# Altium PCB H204_without WiFi.PcbDoc (part 1 of 3) (continued)
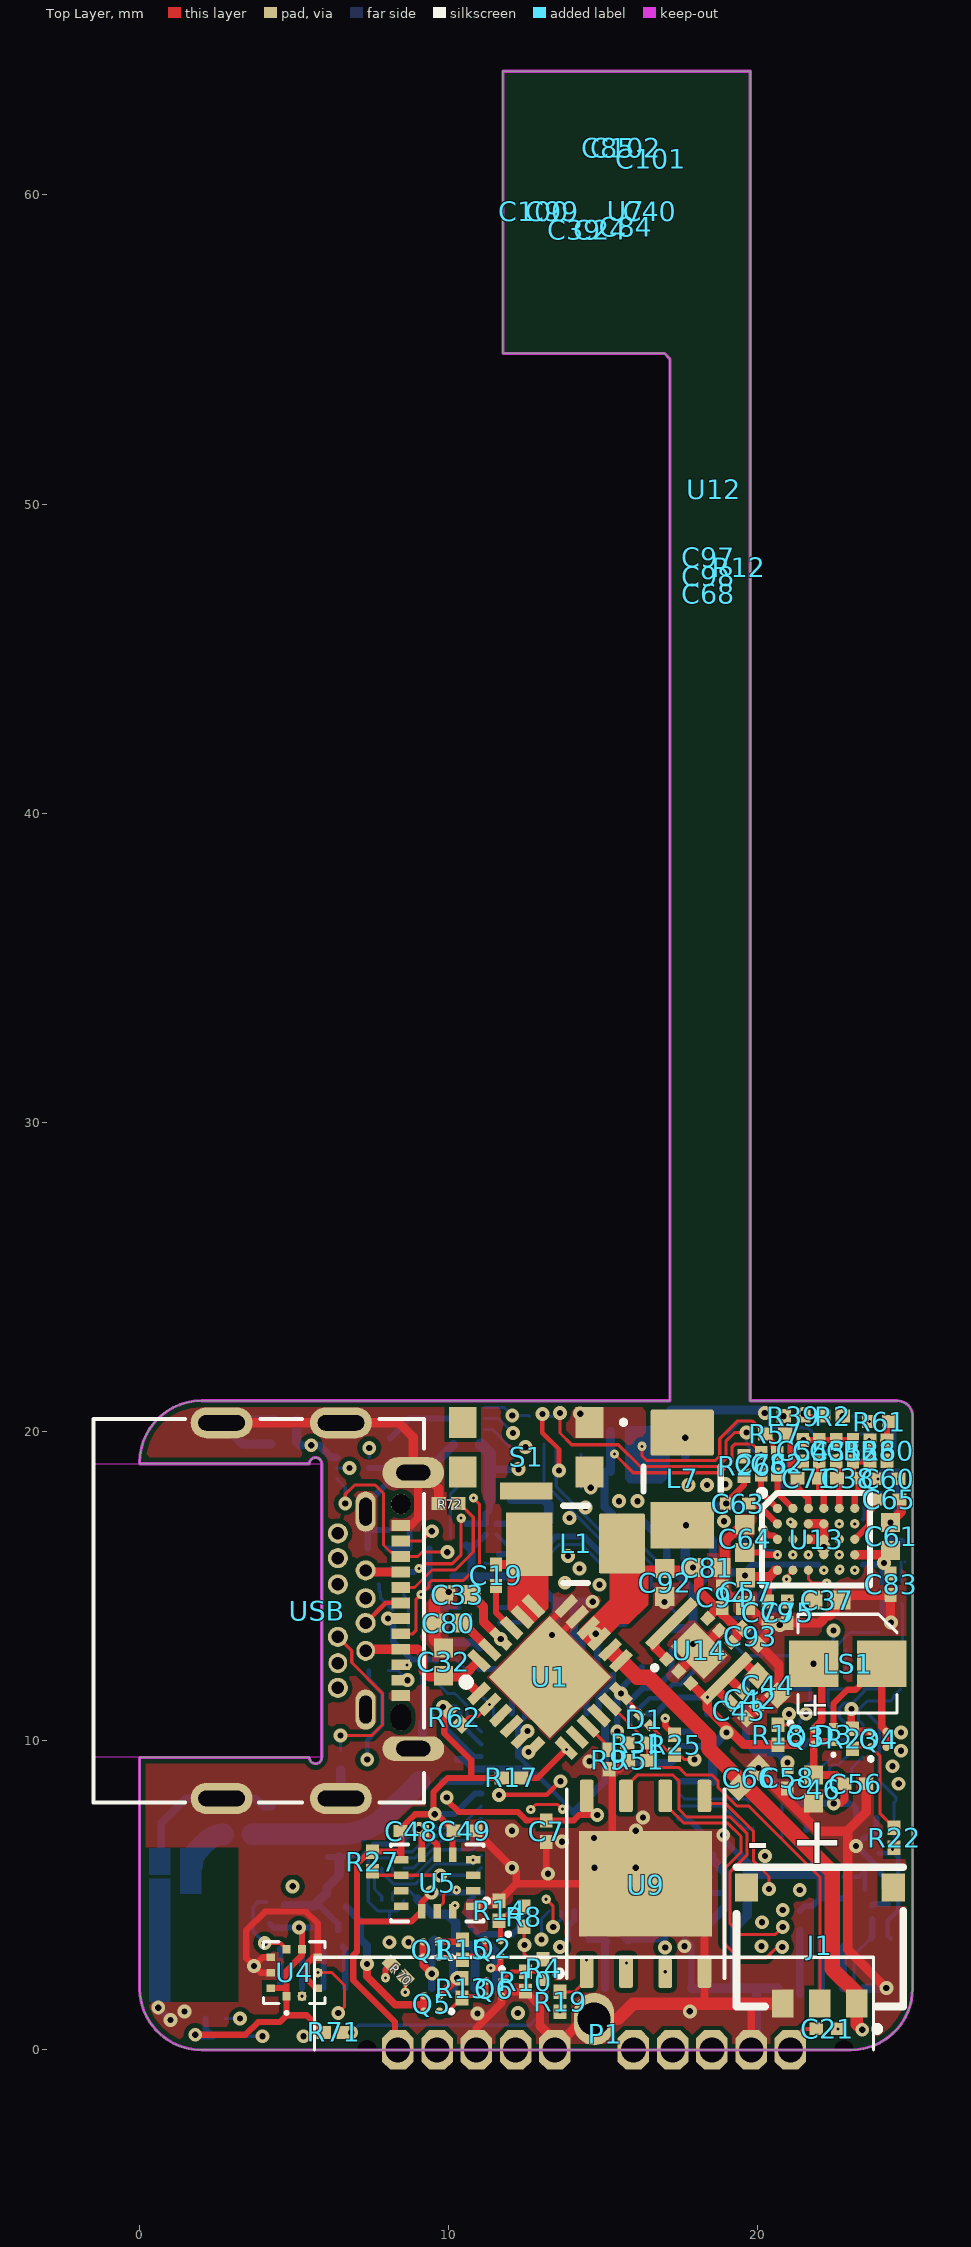
[diagram p0: Top Layer view]
## Components (designator, comment, footprint, x,y, rotation, side; value= is the part's Value field where it differs from the comment) (continued)
C90 "0.1uF" CAPC0603X33N#1 22.423,5.6 r180 bottom
C91 "0.1uF" CAPC0603X33N#1 8.38,16.817 r180 bottom
C92 "10uF" CAPC1005X55N#1 16.981,15.117 r270 top
C93 "1nF" CAPC0603X33N#1 19.75,13.384 r315 top
C94 "100pF" CAPC0603X33N#1 18.842,14.642 r90 top
C95 "1nF" CAPC0603X33N#1 15.583,19.46 r180 bottom
C96 "100pF" CAPC0603X33N#1 15.583,19.992 r180 bottom
C97 "1nF" CAPC0603X33N#2 18.389,48.275 r180 top
C98 "100pF" CAPC0603X33N#2 18.389,47.675 r0 top
C99 "1nF" CAPC0603X33N#3 13.35,59.476 r90 top
C100 "100pF" CAPC0603X33N#3 12.75,59.476 r270 top
C101 "1nF" CAPC0603X33N#3 16.53,61.176 r270 top
C102 "100pF" CAPC0603X33N#3 15.73,61.526 r90 top
C103 "4.7uF" CAPC1005X55N#1 18.96,6.275 r0 bottom
C104 "0.1uF" CAPC0603X33N#1 18.9,8.68 r0 bottom
C105 "0.1uF" CAPC0603X33N#1 23.175,6.95 r270 bottom
C106 "10uF" CAPC1005X55N#1 19.525,19.25 r180 bottom
D1 "NSR01L30NXT5G" NSR01L30NXT5G 16.327,10.673 r225 top
D3 "NSR01L30NXT5G" NSR01L30NXT5G 22.44,10.2 r0 top
DS1 "QG-2864TMBEG01" QG-2864TMBEG01 14,2.3 r0 bottom locked
FL1 "EMI2121MTTAG" EMI2121MTTAG 10.689,14.562 r90 bottom
J1 "78171-0003" 78171-0003 22,1.5 r180 top
L1 "1uH / CBC3225T1R0MR" INDM3225X210N#1 14.1,16.353 r0 top
L2 "10µH" INDC1608X100N#1 12.648,12.51 r0 bottom
L3 "N.C." INDC0603X33N 3.928,7.413 r90 bottom
L4 "0R" INDC0603X33N 3.116,6.968 r180 bottom
L5 "10µH" INDC1608X100N#2 16.248,13.18 r270 bottom
L6 "2.2nH" INDC0603X33N 9.481,8.693 r0 bottom
L7 "2.2uH / CBC3225T2R2MR" INDM3225X210N#2 17.548,18.47 r90 top
LS1 "SMT-0340-T-R" SMT0340TR 22.9,12.492 r270 top
P1 "EC10-IDC-050" EC10-IDC-050 14.7,1 r180 top locked
Q1 "CSD23202W10" 4-UFBGA 9.423,3.249 r180 top
Q2 "CSD13201W10" CSD13201W10 11.423,3.292 r270 top
Q3 "CSD23202W10" 4-UFBGA 21.55,10.132 r0 top
Q4 "CSD13201W10" CSD13201W10 23.905,10.048 r90 top
Q5 "CSD23202W10" 4-UFBGA 9.45,1.5 r180 top
Q6 "CSD13201W10" CSD13201W10 11.464,1.98 r270 top
Q7 "CSD23202W10" 4-UFBGA 23.947,4.422 r90 bottom
Q8 "CSD23202W10" 4-UFBGA 9.123,15.21 r0 bottom
Q9 "CSD13201W10" CSD13201W10 24.15,6.617 r180 bottom
Q10 "CSD13201W10" CSD13201W10 8.45,13.96 r270 bottom
R1 "200R" RESC0603X26N#1 24.148,8.067 r0 bottom
R2 "200R" RESC0603X26N#1 22.423,20.5 r0 top
R3 "10k" RESC0603X26N#1 24.148,7.492 r0 bottom value=10K
R4 "200R" RESC0603X26N#1 13.05,2.618 r270 top
R5 "10k" RESC0603X26N#1 23.973,3.554 r180 bottom value=10K
R6 "0R" RESC0603X26N#1 8.075,3.805 r270 bottom
R7 "10k" RESC0603X26N#1 8.173,15.239 r90 bottom value=10K
R8 "200R" RESC0603X26N#1 12.425,4.312 r90 top
R9 "0R" RESC0603X26N#1 15.173,9.392 r90 top
R10 "10k" RESC0603X26N#1 12.475,2.216 r90 top value=10K
R11 "2R2" RESC0603X26N#1 18.678,10.867 r180 bottom
R12 "0R" RESC0603X26N#2 19.375,47.955 r90 top
R13 "10k" RESC0603X26N#1 10.425,2 r90 top value=10K
R14 "10k" RESC0603X26N#1 11.624,4.5 r270 top value=10K
R15 "10k" RESC0603X26N#1 10.442,3.242 r90 top value=10K
R17 "4.7k" RESC0603X26N#1 12.025,8.797 r180 top
R18 "10k" RESC0603X26N#1 20.65,10.193 r270 top value=10K
R19 "4.7k" RESC0603X26N#1 13.599,1.557 r90 top
R20 "4.7k" RESC0603X26N#1 2.448,1.017 r0 bottom
R21 "4.7k" RESC0603X26N#1 2.696,0.444 r0 bottom
R22 "200R" RESC0603X26N#1 24.4,6.867 r90 top
R23 "10k" RESC0603X26N#1 23.05,10.067 r90 top value=10K
R24 "4.7k" RESC0603X26N#1 4.098,4.466 r90 bottom
R25 "10k" RESC0603X26N#1 17.3,9.87 r270 top value=10K
R26 "324k" RESC0603X26N#1 19.55,18.89 r90 top
R27 "4.7k" RESC0603X26N#1 7.525,6.094 r270 top
R28 "4.7k" RESC0603X26N#1 21.9,8.292 r90 bottom
R29 "4.7k" RESC0603X26N#1 21.329,8.289 r90 bottom
R30 "4.7k" RESC0603X26N#1 22.464,8.276 r90 bottom
R31 "5.49k" RESC0603X26N#1 16.098,9.928 r0 top
R32 "0R" RESC0603X26N#1 8.7,3.805 r270 bottom
R33 "4.7k" RESC0603X26N#1 23.029,8.276 r90 bottom
R34 "10R" RESC0603X26N#1 24.627,16.105 r90 bottom
R35 "4.7k" RESC0603X26N#1 19.95,10.792 r0 bottom
R36 "N.C." RESC0603X26N#1 22.423,18.01 r0 bottom
R37 "N.C." RESC0603X26N#1 21.679,11.992 r270 bottom
R38 "N.C." RESC0603X26N#1 24.024,11.992 r270 bottom
R39 "200R" RESC0603X26N#1 21.148,20.5 r180 top
R40 "N.C." RESC0603X26N#1 22.265,11.992 r270 bottom
R41 "4.7k" RESC0603X26N#1 19.95,11.404 r0 bottom
R42 "4.7k" RESC0603X26N#1 19.934,10.102 r0 bottom
R43 "0R" RESC0603X26N#1 21.093,11.992 r90 bottom
R44 "0R" RESC0603X26N#1 22.851,11.992 r90 bottom
R45 "4.7k" RESC0603X26N#1 19.934,11.992 r0 bottom
R46 "0R" RESC0603X26N#1 23.438,11.992 r90 bottom
R47 "0R" RESC0603X26N#1 24.61,11.992 r90 bottom
R48 "4.7k" RESC0603X26N#1 24.06,20.476 r180 bottom
R49 "4.7k" RESC0603X26N#1 24.06,19.92 r180 bottom
R50 "4.7k" RESC0603X26N#1 24.05,19.376 r180 bottom
R51 "30.9k" RESC0603X26N#1 16.103,9.367 r180 top
R52 "4.7k" RESC0603X26N#1 24.06,18.33 r90 bottom
R53 "0R" RESC0603X26N#1 22.743,19.92 r180 bottom
R54 "0R" RESC0603X26N#1 22.76,19.376 r180 bottom
R55 "0R" RESC0603X26N#1 22.743,20.5 r180 bottom
R56 "910k" RESC0603X26N#1 21.35,4.18 r270 bottom
R57 "200R" RESC0603X26N#1 20.561,19.92 r0 top
R58 "200R" RESC0603X26N#1 23.617,19.38 r270 top
R59 "0R" RESC0603X26N#1 23.45,18.237 r90 bottom
R60 "4.7k" RESC0603X26N#1 24.177,19.38 r270 top
R61 "4.7k" RESC0603X26N#1 23.923,20.325 r180 top
R62 "4.7k" RESC0603X26N#1 10.174,10.76 r135 top
R63 "200R" RESC0603X26N#1 20.998,10.546 r90 bottom
R64 "27k" RESC0603X26N#1 23.775,5.176 r180 bottom value=27K
R65 "75k" RESC0603X26N#3 23.659,5.711 r0 bottom value=75K
R66 "47k" RESC0603X26N#1 9.05,16.217 r180 bottom value=47K
R67 "75k" RESC0603X26N#1 7.698,16.217 r180 bottom value=75K
R68 "200k" RESC0603X26N#1 12.935,20.488 r180 bottom
R69 "0R" RESC0603X26N#1 20.775,8.253 r90 bottom
R70 "10k" RESC0603X26N#1 8.365,2.555 r315 top value=10K
R71 "10k" RESC0603X26N#1 6.275,0.567 r0 top value=10K
R72 "5.1k" RESC0603X26N#1 9.991,17.676 r180 top
R73 "5.1k" RESC0603X26N#1 6.5,9.374 r270 bottom
R74 "4.7k" RESC0603X26N#1 7.725,12.275 r0 bottom
S1 "KMS231GLFS" KMS231GLFS 12.5,19.5 r180 top locked
U1 "BQ25601RTWT" QFN50P400X400X80-25N-D 13.27,12.06 r45 top
U2 "MAX17222ELT+" MAX17220ALT 17.648,18.32 r0 bottom
U3 "MAX32664GTGD+" MAX32664GTGD 20.498,15.705 r90 bottom locked
U4 "BMP388" BMP388 5,2.5 r180 top locked
U5 "BMI270" XDCR_BMI270 9.624,5.4 r180 top
U6 "TPD5E003DPFR" SON35P100X100X40-6N 8.18,5.362 r90 bottom
U7 "MAX30101EFD+" 14-LEAD-OESIP 15.73,59.476 r90 top
U9 "W25Q128JVPIQ" SON127P500X600X80-9N 16.365,5.375 r90 top locked
U10 "TPD5E003DPFR" SON35P100X100X40-6N 6.9,18.82 r180 bottom
U11 "TPD5E003DPFR" SON35P100X100X40-6N 10.625,20.425 r0 bottom
U12 "TMP117MAIDRVT" SON65P200X200X80-7N 18.575,50.475 r270 top
U13 "MAX30001CWV+" BGA30C50P6X5_293X274X69 21.878,16.517 r0 top locked
U14 "XCL206A333CR-G" XCL206A333CRG 18.098,12.91 r315 top
U15 "nRF5340-QKAA" AQFN40P700X700X85_HS-99N 14.248,7.692 r180 bottom locked
U16 "LP5907UVX-1.8-NOPB" BGA4C35P2X2_64X64X44 11.369,16.845 r180 bottom
U18 "PI4ULS3V204GAEX" BGA12C50P3X4_137X187X62 22.65,9.992 r90 bottom
USB "TE_2129691-1" TE_2129691-1 3.85,14.21 r270 top locked
X1 "ECS-.327-7-1210-TR" XTAL_ECS-.327-7-1210-TR 19.825,7.577 r270 bottom
X2 "32MHz" OSC_XRCTD37M400FXQ50R0 9.9,12.28 r0 bottom
X3 "ECS-.327-7-1210-TR" XTAL_ECS-.327-7-1210-TR 19.174,14.387 r90 bottom
X4 "SIT1533AI-H4-DCC-32.768E" SIT1533AIH4DCC32768E 21.673,6.675 r180 bottom

## Footprints (in the part's own frame and the unit in brackets; to place one, negate y for a bottom-side part, rotate by r counter-clockwise, add the part's x,y. Pads: shape width x height; smd on the part's side, far side on the other; paste and mask are expansions set on the pad)
4-UFBGA [mm]
  round 0.25 smd: D(0.25,0.25) D(0.25,-0.25) G(-0.25,0.25) S(-0.25,-0.25)
  silkscreen extent -0.68,0.2 -0.59,0.3, body extent -0.5,-0.5 0.5,0.5, height 0.4
14-LEAD-OESIP [mm]
  rect 0.75x0.35 on Mid1: 1(-1.2,-2.4) 2(-1.2,-1.6) 3(-1.2,-0.8) 4(-1.2,0) 5(-1.2,0.8) 6(-1.2,1.6) 7(-1.2,2.4) 8(1.2,2.4) 9(1.2,1.6) 10(1.2,0.8) 11(1.2,0) 12(1.2,-0.8) 13(1.2,-1.6) 14(1.2,-2.4)
  body extent -1.46,-2.8 1.34,2.8
2450AT07A0100 [mm] "2.4GHz Bluetooth, WLAN, Zigbee™ Chip RF Antenna 2.4GHz ~ 2.48GHz -2dBi Solder Surface Mount"
  rect 0.25x0.3 smd: 1(-0.175,-0.3) 1(0.175,-0.3) 2(-0.175,0.3) 2(0.175,0.3)
  Top Layer region: -0.95,0.85 -0.05,0.85 -0.05,0.15 -0.95,0.15
  Top Layer region: -0.95,-0.15 0.55,-0.15 0.55,-0.85 -0.95,-0.85
  Top Layer region: 0.05,0.85 4.05,0.85 4.05,0.15 0.05,0.15
  Top Layer pour cut-out: -0.95,0.95 -0.95,-2.05 4.05,-2.05 4.05,0.95
  body extent -0.25,-0.5 0.25,0.5, height 0.37
78171-0003 [mm]
  rect 0.7x0.9 smd: 1(-1.2,0) 2(0,0) 3(1.2,0)
  rect 0.75x0.9 smd: 4(-2.375,-3.75) 5(2.375,-3.75)
  silkscreen extent -2.7,-4.41 2.7,0.88, body extent -2.7,-4.12 2.7,0.41, height 1.45
AQFN40P700X700X85_HS-99N [mm] "AQFN, 98-Leads, Body 7.00x7.00mm, Pitch 0.40mm, Thermal Pad 5.4x5.0mm, IPC Medium Density"
  rect 5.4x5 smd paste-5 mask+0.05: 104(0.2,0)
  round 0.4 smd paste+0.012 mask+0.05: A1(-3.2,3.2) A31(3.2,3.2) AL1(-3.2,-3.2) AL31(3.2,-3.2)
  round 0.225 smd paste+0.012 mask+0.05: A5(-2.2,3.2) A13(-0.6,3.2) A15(-0.2,3.2) A17(0.2,3.2) A19(0.6,3.2) A21(1,3.2) A23(1.4,3.2) A25(1.8,3.2) A27(2.2,3.2) AA1(-3.2,-1) AA31(3.2,-1) AB2(-2.8,-1.2) AC1(-3.2,-1.4) AC31(3.2,-1.4) AD2(-2.8,-1.6) AE1(-3.2,-1.8) AE31(3.2,-1.8) AF2(-2.8,-2) AG1(-3.2,-2.2) AG31(3.2,-2.2) AH2(-2.8,-2.4) AJ1(-3.2,-2.6) AJ31(3.2,-2.6) AK2(-2.8,-2.8) AK4(-2.4,-2.8) AK6(-2,-2.8) AK8(-1.6,-2.8) AK10(-1.2,-2.8) AK12(-0.8,-2.8) AK14(-0.4,-2.8) AK16(0,-2.8) AK18(0.4,-2.8) AK20(0.8,-2.8) AK22(1.2,-2.8) AK24(1.6,-2.8) AK26(2,-2.8) AK28(2.4,-2.8) AK30(2.8,-2.8) AL3(-2.6,-3.2) AL5(-2.2,-3.2) AL7(-1.8,-3.2) AL9(-1.4,-3.2) AL11(-1,-3.2) AL13(-0.6,-3.2) AL15(-0.2,-3.2) AL17(0.2,-3.2) AL19(0.6,-3.2) AL21(1,-3.2) AL23(1.4,-3.2) AL25(1.8,-3.2) AL27(2.2,-3.2) AL29(2.6,-3.2) B2(-2.8,2.8) B4(-2.4,2.8) B6(-2,2.8) B8(-1.6,2.8) B10(-1.2,2.8) B12(-0.8,2.8) B14(-0.4,2.8) B16(0,2.8) B18(0.4,2.8) B20(0.8,2.8) B22(1.2,2.8) B24(1.6,2.8) B26(2,2.8) B28(2.4,2.8) B30(2.8,2.8) C1(-3.2,2.6) C31(3.2,2.6) D2(-2.8,2.4) E1(-3.2,2.2) E31(3.2,2.2) F2(-2.8,2) G1(-3.2,1.8) G31(3.2,1.8) H2(-2.8,1.6) J1(-3.2,1.4) J31(3.2,1.4) K2(-2.8,1.2) L1(-3.2,1) L31(3.2,1) M2(-2.8,0.8) N1(-3.2,0.6) N31(3.2,0.6) P2(-2.8,0.4) R1(-3.2,0.2) R31(3.2,0.2) T2(-2.8,0) U1(-3.2,-0.2) U31(3.2,-0.2) V2(-2.8,-0.4) W1(-3.2,-0.6) W31(3.2,-0.6) Y2(-2.8,-0.8)
  rrect15% 1.1x1 on Bottom Paste: ""(-1.75,-1.8) ""(-1.75,-0.6) ""(-1.75,0.6) ""(-1.75,1.8) ""(-0.45,-1.8) ""(-0.45,-0.6) ""(-0.45,0.6) ""(-0.45,1.8) ""(0.85,1.8) ""(0.85,-1.8) ""(0.85,-0.6) ""(0.85,0.6) ""(2.15,1.8) ""(2.15,-1.8) ""(2.15,-0.6) ""(2.15,0.6)
  silkscreen extent -3.99,-3.6 3.6,4.03, body extent -3.5,-3.5 3.5,3.5, height 0.85
BGA4C35P2X2_64X64X44 [mm]
  round 0.208 smd: A1(-0.175,0.175) A2(0.175,0.175) B1(-0.175,-0.175) B2(0.175,-0.175)
  silkscreen extent -0.63,-0.63 0.63,0.63, body extent -0.32,-0.32 0.32,0.32, height 0.45
BGA12C50P3X4_137X187X62 [mm]
  round 0.24 smd: A1(-0.5,0.75) A2(0,0.75) A3(0.5,0.75) B1(-0.5,0.25) B2(0,0.25) B3(0.5,0.25) C1(-0.5,-0.25) C2(0,-0.25) C3(0.5,-0.25) D1(-0.5,-0.75) D2(0,-0.75) D3(0.5,-0.75)
  silkscreen extent -1.05,-1.2 0.95,1.3, body extent -0.68,-0.94 0.68,0.93, height 0.63
BGA30C50P6X5_293X274X69 [mm]
  round 0.298 smd: A1(-1.25,1) A2(-0.75,1) A3(-0.25,1) A4(0.25,1) A5(0.75,1) A6(1.25,1) B1(-1.25,0.5) B2(-0.75,0.5) B3(-0.25,0.5) B4(0.25,0.5) B5(0.75,0.5) B6(1.25,0.5) C1(-1.25,0) C2(-0.75,0) C3(-0.25,0) C4(0.25,0) C5(0.75,0) C6(1.25,0) D1(-1.25,-0.5) D2(-0.75,-0.5) D3(-0.25,-0.5) D4(0.25,-0.5) D5(0.75,-0.5) D6(1.25,-0.5) E1(-1.25,-1) E2(-0.75,-1) E3(-0.25,-1) E4(0.25,-1) E5(0.75,-1) E6(1.25,-1)
  silkscreen extent -1.85,-1.5 1.75,1.6, body extent -1.46,-1.37 1.46,1.37, height 0.69
BMP388 [mm]
  rect 0.25x0.275 smd: 1(0.25,0.763) 2(-0.25,0.763) 6(-0.25,-0.763) 7(0.25,-0.763)
  rect 0.275x0.25 smd: 3(-0.762,0.5) 4(-0.762,0) 5(-0.762,-0.5) 8(0.762,-0.5) 9(0.762,0) 10(0.762,0.5)
  silkscreen extent -1,-1 1,1.35, body extent -1,-1 1,1, height 0.8
CAPC0603X33N#1 [mm] "Chip Capacitor, EIA 0201, Metric 0603, Body 0.6x0.30mm, IPC Medium Density"
  rect 0.45x0.4 smd: 1(-0.35,0) 2(0.35,0)
  body extent -0.31,-0.16 0.32,0.17, height 0.33
CAPC0603X33N#2 [mm] "Chip Capacitor, EIA 0201, Metric 0603, Body 0.6x0.30mm, IPC Medium Density"
  rect 0.45x0.4 on Mid1: 1(-0.35,0) 2(0.35,0)
  body extent -0.31,-0.16 0.32,0.17, height 0.33
CAPC0603X33N#3 [mm] "Chip Capacitor, EIA 0201, Metric 0603, Body 0.6x0.30mm, IPC Medium Density"
  rect 0.45x0.4 on Mid2: 1(-0.35,0) 2(0.35,0)
  body extent -0.31,-0.16 0.32,0.17, height 0.33
CAPC1005X55N#1 [mm] "Chip Capacitor, Body 1.0x0.55mm, IPC Medium Density"
  rect 0.62x0.62 smd: 1(-0.45,0) 2(0.45,0)
  body extent -0.52,-0.27 0.53,0.28, height 0.55
CAPC1005X55N#2 [mm] "Chip Capacitor, Body 1.0x0.55mm, IPC Medium Density"
  rect 0.62x0.62 on Mid2: 1(-0.45,0) 2(0.45,0)
  body extent -0.52,-0.27 0.53,0.28, height 0.55
CSD13201W10 [mm]
  round 0.25 smd: D(-0.25,-0.25) D(0.25,-0.25) G(-0.25,0.25) S(0.25,0.25)
  silkscreen extent -0.5,0.45 -0.4,0.55, body extent -0.5,-0.5 0.5,0.5, height 0.62
EC10-IDC-050 [mm]
  round 0.32 hole 0.64 unplated: 0(-8.08,1) 0(7.35,1)
  oct 1.02x1.28 hole 0.8: 1(6.35,1) 2(5.08,1) 3(3.81,1) 4(2.54,1) 5(1.27,1) 6(-1.27,1) 7(-2.54,1) 8(-3.81,1) 9(-5.08,1) 10(-6.35,1)
  oval 1.3x1.7 / inner round 1.3 / far side oval 1.3x1.7 hole 1.07: 3(0,0)
  silkscreen extent -9.04,-2 9.04,1
EMI2121MTTAG [mm]
  rect 0.4x1 smd: 1(-0.75,-0.35)
  rect 0.3x1 smd: 2(-0.25,-0.35) 7(-0.25,0.95) 8(-0.75,0.95)
  rect 0.3x0.6 smd: 3(0.25,-0.55) 4(0.75,-0.55) 5(0.75,1.15) 6(0.25,1.15)
  rect 0.54x0.8 smd: 9(0.63,0.3)
  silkscreen extent -1.1,-1.3 1.1,1.3, body extent -1.1,-0.7 1.1,1.3, height 0.8
INDC0603X33N [mm] "Chip Inductor, 2-Leads, EIA 0201, Metric 0603, Body 0,60x0,30mm, IPC Medium Density"
  rect 0.47x0.42 smd: 1(-0.32,0) 2(0.32,0)
  body extent -0.31,-0.17 0.32,0.16, height 0.33
INDC1608X100N#1 [mm] "Chip Inductor, 2-Leads, EIA 0603, Metric 1608, Body 1.6x0.8mm, IPC Medium Density"
  rect 0.95x1 smd: 1(-0.8,0) 2(0.8,0)
  body extent -0.87,-0.47 0.88,0.48, height 1
INDC1608X100N#2 [mm] "Chip Inductor, 2-Leads, EIA 0603, Metric 1608, Body 1.6x0.8mm, IPC Medium Density"
  rect 0.95x1 smd: 1(-0.8,0)
  rrect50% 0.95x1 smd: 2(0.8,0)
  body extent -0.87,-0.47 0.88,0.48, height 1
INDM3225X210N#1 [mm] "Inductor, Molded Body; 3.20mm L X 2.50mm W, IPC Medium Density"
  rect 1.5x2.05 smd: 1(-1.5,0)
  rrect10% 1.5x1.95 smd: 2(1.5,0.027)
  silkscreen extent -0.4,-1.25 0.4,1.25, body extent -1.7,-1.35 1.7,1.35, height 2.7
INDM3225X210N#2 [mm] "Inductor, Molded Body; 3.20mm L X 2.50mm W, IPC Medium Density"
  rect 1.5x2.05 smd: 1(-1.5,0)
  rrect10% 1.5x2.05 smd: 2(1.5,0)
  silkscreen extent -0.4,-1.25 0.4,1.25, body extent -1.7,-1.35 1.7,1.35, height 2.7
KMS231GLFS [mm]
  rect 0.9x1 smd: 1(-2.05,-0.8) 2(-2.05,0.8) 4(2.05,0.8) 5(2.05,-0.8)
  rect 1.7x0.55 smd: 3(0,1.425)
  silkscreen extent -3.2,-0.85 -3.1,-0.75, body extent -2.3,-2.15 2.3,1.4, height 1.42
MAX17220ALT [mm]
  rect 0.35x0.8 smd: 1(-0.65,-0.915) 2(0,-0.915) 3(0.65,-0.915) 4(0.65,0.915) 5(0,0.915) 6(-0.65,0.915)
  silkscreen extent -1,-1.65 1,0.2, body extent -1,-1.28 1,1.28, height 0.9
MAX32664GTGD [mm]
  rect 0.7x0.7 smd: 1(-1.45,2.9) 7(-1.45,0) 13(1.45,0) 19(1.45,2.9)
  rect 0.7x0.2 smd: 2(-1.45,2.25) 3(-1.45,1.85) 4(-1.45,1.45) 5(-1.45,1.05) 6(-1.45,0.65) 14(1.45,0.65) 15(1.45,1.05) 16(1.45,1.45) 17(1.45,1.85) 18(1.45,2.25)
  rect 0.2x0.7 smd: 8(-0.8,0) 9(-0.4,0) 10(0,0) 11(0.4,0) 12(0.8,0) 20(0.8,2.9) 21(0.4,2.9) 22(0,2.9) 23(-0.4,2.9) 24(-0.8,2.9)
  rect 1.7x1.7 smd: 25(0,1.45)
  silkscreen extent -2.19,2.83 -2.09,2.93, body extent -1.5,-0.05 1.5,2.95, height 0.9
NSR01L30NXT5G [mm]
  rect 0.3x0.28 smd: 1(0,0.235) 2(0,-0.235)
  silkscreen extent -0.05,-0.6 0.05,-0.5, body extent -0.15,-0.35 0.15,0.35, height 0.4
OSC_XRCTD37M400FXQ50R0 [mm]
  rect 0.4x0.495 smd: 1(-0.325,0.353) 2(-0.325,-0.353) 3(0.325,-0.353) 4(0.325,0.353)
  silkscreen extent -1.15,0.5 -0.95,0.7, body extent -0.5,-0.6 0.5,0.6, height 0.3
QFN50P400X400X80-25N-D [mm]
  rect 0.8x0.3 smd: 1(-2,1.25) 2(-2,0.75) 3(-2,0.25) 4(-2,-0.25) 5(-2,-0.75) 6(-2,-1.25) 13(2,-1.25) 14(2,-0.75) 15(2,-0.25) 16(2,0.25) 17(2,0.75) 18(2,1.25)
  rect 0.3x0.8 smd: 7(-1.25,-2) 8(-0.75,-2) 9(-0.25,-2) 10(0.25,-2) 11(0.75,-2) 12(1.25,-2) 19(1.25,2) 20(0.75,2) 21(0.25,2) 22(-0.25,2) 23(-0.75,2) 24(-1.25,2)
  rect 2.8x2.8 smd: 25(0,0)
  silkscreen extent -2.15,1.68 -1.9,1.93, body extent -2,-2 2,2, height 0.8
QG-2864TMBEG01 [mm]
  rect 0.4x2 smd: 1(-10.15,0.3) 2(-9.45,0.3) 3(-8.75,0.3) 4(-8.05,0.3) 5(-7.35,0.3) 6(-6.65,0.3) 7(-5.95,0.3) 8(-5.25,0.3) 9(-4.55,0.3) 10(-3.85,0.3) 11(-3.15,0.3) 12(-2.45,0.3) 13(-1.75,0.3) 14(-1.05,0.3) 15(-0.35,0.3) 16(0.35,0.3) 17(1.05,0.3) 18(1.75,0.3) 19(2.45,0.3) 21(3.85,0.3) 22(4.55,0.3) 23(5.25,0.3) 24(5.95,0.3) 25(6.65,0.3) 26(7.35,0.3) 27(8.05,0.3) 28(8.75,0.3) 29(9.45,0.3) 30(10.15,0.3)
  rect 0.4x1.9 smd: 20(3.15,0.35)
  silkscreen extent -11,-1.74 11,6.4
RESC0603X26N#1 [mm] "Chip Resistor, EIA 0201, Metric 0603, Body 0,60x0,30mm, IPC Medium Density"
  rect 0.47x0.42 smd: 1(-0.32,0) 2(0.32,0)
  body extent -0.32,-0.17 0.32,0.17, height 0.26
RESC0603X26N#2 [mm] "Chip Resistor, EIA 0201, Metric 0603, Body 0,60x0,30mm, IPC Medium Density"
  rect 0.47x0.42 on Mid1: 1(-0.32,0) 2(0.32,0)
  body extent -0.31,-0.16 0.32,0.17, height 0.26
RESC0603X26N#3 [mm] "Chip Resistor, EIA 0201, Metric 0603, Body 0,60x0,30mm, IPC Medium Density"
  rrect10% 0.47x0.42 smd: 1(-0.32,0)
  rect 0.47x0.42 smd: 2(0.32,0)
  body extent -0.31,-0.17 0.32,0.16, height 0.26
SIT1533AIH4DCC32768E [mm]
  rect 0.7x1.4 smd: 1(-0.75,0) 3(0.75,0)
  rect 0.2x0.5 smd: 2(-0.1,-0.45) 4(0.1,0.45)
  silkscreen extent -1.45,-0.6 0.3,0.6, body extent -1,-0.6 1,0.6, height 0.6
SMT0340TR [mm]
  rect 1.5x1.6 smd: 1(0,1.1) 2(0,-1.1)
  silkscreen extent -1.6,-1.6 1.6,1.6, body extent -1.6,-1.75 1.6,1.75, height 2.1
SON35P100X100X40-6N [mm]
  rect 0.35x0.17 smd: 1(-0.525,0.35) 2(-0.525,0) 3(-0.525,-0.35) 4(0.525,-0.35) 5(0.525,0) 6(0.525,0.35)
  silkscreen extent -0.67,0.67 -0.57,0.77, body extent -0.5,-0.5 0.5,0.5, height 0.5
SON65P200X200X80-7N [mm]
  rect 0.6x0.35 on Mid1: 1(-1.05,-0.65) 2(-1.05,0) 3(-1.05,0.65) 4(1.05,0.65) 5(1.05,0) 6(1.05,-0.65)
  rect 1.1x1.7 on Mid1 paste-2 mask-2: 7(0,0)
  body extent -1.05,-1 1.05,1, height 0.8
SON127P500X600X80-9N [mm]
  rrect25% 1.04x0.44 smd: 1(-2.845,1.905) 2(-2.845,0.635) 4(-2.845,-1.905) 5(2.845,-1.905) 6(2.845,-0.635) 7(2.845,0.635) 8(2.845,1.905)
  rrect25% 0.94x0.44 smd: 3(-2.895,-0.635)
  rect 3.4x4.3 smd paste-3: 9(0,0)
  silkscreen extent -3.05,-2.55 3.05,2.91, body extent -3.05,-2.54 3.05,2.54, height 0.8
TE_2129691-1 [mm]
  rect 0.35x0.6 smd: A1(-2.75,4.6) A2(-2.25,4.6) A3(-1.75,4.6) A4(-1.25,4.6) A5(-0.75,4.6) A6(-0.25,4.6) A7(0.25,4.6) A8(0.75,4.6) A9(1.25,4.6) A10(1.75,4.6) A11(2.25,4.6) A12(2.75,4.6)
  oval 1.3x0.65 hole 0.4 slot 0.9 at 0 deg: B1(3.2,3.46) B12(-3.2,3.46)
  round 0.65 hole 0.4: B2(2.5,2.56) B5(0.85,2.56) B6(0.4,3.46) B7(-0.4,3.46) B8(-0.85,2.56) B9(-1.3,3.46) B10(-1.7,2.56) B11(-2.5,2.56)
  oval 0.65x0.6 hole 0.4: B3(1.7,2.56) B4(1.3,3.46)
  oval 1x2 hole 0.5 slot 1.5 at 90 deg: SH(-6.075,2.66) SH(-6.075,-1.2) SH(6.075,2.66) SH(6.075,-1.2)
  oval 1x2 hole 0.5 slot 1.1 at 90 deg: SH(-4.465,5)
  oval 0.8x2 hole 0.5 slot 1.1 at 90 deg: SH(4.465,5)
  round 0.65 hole 0.65 unplated: ""(-3.45,4.6)
  oval 0.85x0.65 hole 0.65 slot 0.85 at 0.85 deg unplated: ""(3.45,4.6)
  Keep-Out Layer lines w0.1: 4.75,-3.85 4.75,1.64 ccw(c4.75,1.84) 4.75,2.04 -4.75,2.04 ccw(c-4.75,1.84) -4.75,1.64 -4.75,-3.85
  silkscreen extent -6.2,-5.35 6.2,5.35, body extent -6.17,-5.35 6.18,5.35, height 2.25
XCL206A333CRG [mm]
  rect 0.35x0.375 smd: 1(-0.55,-0.938) 2(0,-0.938) 3(0.55,-0.938) 4(0.55,0.938) 5(0,0.938) 6(-0.55,0.938)
  rect 0.35x2.1 smd: 7(-1.25,0) 8(1.25,0)
  rect 1.5x1.1 smd: 9(0,0)
  silkscreen extent -0.68,-1.46 -0.58,-1.36, body extent -1.25,-1 1.25,1, height 1
XDCR_BMI270 [mm]
  rect 0.475x0.25 smd: 1(-1.162,0.75) 2(-1.162,0.25) 3(-1.162,-0.25) 4(-1.162,-0.75) 8(1.162,-0.75) 9(1.162,-0.25) 10(1.162,0.25) 11(1.162,0.75)
  rect 0.25x0.475 smd: 5(-0.5,-0.913) 6(0,-0.913) 7(0.5,-0.913) 12(0.5,0.913) 13(0,0.913) 14(-0.5,0.913)
  silkscreen extent -1.67,-1.25 1.5,1.25, body extent -1.52,-1.27 1.52,1.27, height 0.8
XTAL_ECS-.327-7-1210-TR [mm]
  rect 0.575x1.14 smd: 1(-0.413,0) 2(0.413,0)
  body extent -0.6,-0.5 0.6,0.5, height 0.35

## Part data
ANT1: library part ANT, "Antennas 2.4GHz CHIP ANTENNA ULTRA MINI 0.37mm", Case/Package=0402, Frequency=2.4GHz, Manufacturer=Johanson, Manufacturer Part Number=2450AT07A0100T, Max Power Dissipation=2W, Package Quantity=10000, Supplier Part Number 1=712-1572-1-ND, Category="RF Antennas", ComponentLink1Description=https://datasheet.ciiva.com/24073/antenna-2450at07a0100-v5-242421-24073130.pdf?src-supplier=Mouser, ComponentLink1URL=https://datasheet.ciiva.com/24073/antenna-2450at07a0100-v5-242421-24073130.pdf?src-supplier=Mouser, Gain=-1.5dB, Height=0.015inch, Impedance=50R, Length=1mm, Mount="Surface Mount", Number of Bands=1, Packaging="Tape and Reel", Power Rating=2W, Pricing 1="1=0,62000, 10=0,54400, 25=0,51160, 100=0,41740, 250=0,38776, 500=0,33000, 1000=0,26400, 2500=0,24750 (USD)", Return Loss=-6.5dB, RoHS=No, RoHS Compliant=No, Series=-, Stock 1=290006, Supplier 1=Digi-Key, Termination=Solder, Width=0.5mm
C1 C2 C4 C10 C11 C21 C27 C28 C29 C31 C35 C60 C63: library part C0402-1µ0, "CAP CER 1UF 6.3V X5R 0201", Case/Package=0201, Case Code (Metric)=0603, Dielectric=X5R, Manufacturer=Samsung, Manufacturer Part Number=CL03A105MQ3CSNC, Max Operating Temperature=85°C, Min Operating Temperature=-55°C, Package Quantity=1, Supplier Part Number 1=1276-1325-1-ND, Tolerance=20%, Voltage Rating=6.3V, Capacitance=1uF, Case Code (Imperial)=0201, Category="Ceramic Capacitors", ComponentLink1Description=https://datasheet.ciiva.com/25786/cl03a105mq3csnc-25786759.pdf?src-supplier=Digi-Key, ComponentLink1URL=https://datasheet.ciiva.com/25786/cl03a105mq3csnc-25786759.pdf?src-supplier=Digi-Key, Depth=0.3mm, Lead Free="Lead Free", Length=0.024inch, Mount="Surface Mount", Packaging="Tape and Reel", Pricing 1="1=0,10000, 10=0,03500, 50=0,01940, 100=0,01580, 500=0,01128, 1000=0,00886, 2500=0,00805, 5000=0,00741 (USD)", RoHS=Yes, RoHS Compliant=Yes, Series=CL, Stock 1=10, Supplier 1=Digi-Key, Thickness=0.013inch, Width=0.012inch
C3 C5 C30 C33 C36 C41 C77 C103: library part C0603-4µ7, "Cap Ceramic 4.7uF 16V X5R 20% SMD 0402 85C T/R", Case/Package=0402, Case Code (Metric)=1005, Manufacturer=Samsung, Manufacturer Part Number=CL05A475MO5NUNC, Max Operating Temperature=85°C, Min Operating Temperature=-55°C, Supplier Part Number 1=1276-6836-1-ND, Tolerance=20%, Voltage Rating=16V, Capacitance=4.7uF, Case Code (Imperial)=0402, Category="Ceramic Capacitors", ComponentLink1Description=http://www.farnell.com/datasheets/2710653.pdf?src-supplier=Farnell, ComponentLink1URL=http://www.farnell.com/datasheets/2710653.pdf?src-supplier=Farnell, ComponentLink2Description=http://www.farnell.com/datasheets/2710653.pdf?src-supplier=Newark, ComponentLink2URL=http://www.farnell.com/datasheets/2710653.pdf?src-supplier=Newark, ComponentLink3Description=http://www.samsungsem.com/kr/support/product-search/mlcc/CL05A475MO5NUNC.jsp?src-supplier=Digi-Key, ComponentLink3URL=http://www.samsungsem.com/kr/support/product-search/mlcc/CL05A475MO5NUNC.jsp?src-supplier=Digi-Key, Length=0.039inch, Mount="Surface Mount", Packaging="Tape and Reel", Pricing 1="1=0,51000, 10=0,35100, 50=0,24600, 100=0,21090, 500=0,15814, 1000=0,13355, 2500=0,12652, 5000=0,11949 (USD)", RoHS=Yes, RoHS Compliant=Yes, Stock 1=298882, Supplier 1=Digi-Key, Thickness=0.022inch, Width=0.02inch
C6 C7 C9 C12 C13 C14 C15 C16 C17 C18 C47 C48 C49 C50 C55 C56 C58 C59 C62 C68 C69 C70 C75 C79 C83 C84 C85 C90 C91 C104 C105: library part C0201-100n, "CAP CER 0.1UF 16V X5R 0201", Capacitance=100nF, Case/Package=0201, Case Code (Metric)=0603, Dielectric=X5R, Manufacturer=Samsung, Manufacturer Part Number=CL03A104KO3NNNC, Max Operating Temperature=85°C, Min Operating Temperature=-55°C, Package Quantity=1, Supplier Part Number 1=1276-1319-1-ND, Tolerance=10%, Voltage Rating=16V, Case Code (Imperial)=0201, Category="Ceramic Capacitors", ComponentLink1Description=https://datasheet.ciiva.com/25794/cl03a104ko3nnnc-25794320.pdf?src-supplier=Digi-Key, ComponentLink1URL=https://datasheet.ciiva.com/25794/cl03a104ko3nnnc-25794320.pdf?src-supplier=Digi-Key, ComponentLink2Description=https://datasheet.ciiva.com/26838/getdatasheetpartid-359638-26838082.pdf?src-supplier=Verical, ComponentLink2URL=https://datasheet.ciiva.com/26838/getdatasheetpartid-359638-26838082.pdf?src-supplier=Verical, Construction=Flat, Contact Plating=Tin, Depth=0.3mm, Height=0.3mm, Length=0.6mm, Mount="Surface Mount", Packaging="Tape and Reel", Pricing 1="1=0,12000, 10=0,08500, 50=0,04640, 100=0,03790, 500=0,02704, 1000=0,02125, 2500=0,01932, 5000=0,01777 (USD)", Radiation Hardening=No, RoHS=Yes, RoHS Compliant=Yes, Series=CL, Stock 1=1005663, Supplier 1=Digi-Key, Thickness=0.013inch, Voltage Rating (DC)=16V, Width=0.012inch
C8: library part C0201-2n2, "CAP CER 2200PF 10V X7R 0201", Case/Package=0201, Case Code (Metric)=0603, Dielectric=X7R, Manufacturer=Samsung, Manufacturer Part Number=CL03B222KP3NNNC, Max Operating Temperature=125°C, Min Operating Temperature=-55°C, Package Quantity=1, Supplier Part Number 1=1276-1349-1-ND, Tolerance=10%, Voltage Rating=10V, Capacitance=2.2nF, Case Code (Imperial)=0201, Category="Ceramic Capacitors", ComponentLink1Description=https://datasheet.ciiva.com/25804/cl03b222kp3nnnc-25804544.pdf?src-supplier=Digi-Key, ComponentLink1URL=https://datasheet.ciiva.com/25804/cl03b222kp3nnnc-25804544.pdf?src-supplier=Digi-Key, Construction=Flat, Depth=0.3mm, Height=0.3mm, Lead Free="Lead Free", Length=0.6mm, Mount="Surface Mount", Packaging="Tape and Reel", Pricing 1="1=0,11000, 10=0,07600, 50=0,04340, 100=0,03590, 500=0,02516, 1000=0,02083, 2500=0,01939, 5000=0,01774 (USD)", Radiation Hardening=No, RoHS=Yes, RoHS Compliant=Yes, Series=CL, Stock 1=135845, Supplier 1=Digi-Key, Thickness=0.013inch, Voltage Rating (DC)=10V, Width=0.012inch
C19 C76 C82: library part C0402-100n, "CAP CER 0.047UF 25V X5R 0201", Case/Package=0201, Case Code (Metric)=0603, Dielectric=X5R, Dielectric Material=Ceramic, Manufacturer=TDK, Manufacturer Part Number=C0603X5R1E473K030BB, Max Operating Temperature=85°C, Min Operating Temperature=-55°C, Package Quantity=15000, Supplier Part Number 1=445-13679-1-ND, Tolerance=10%, Voltage Rating=25V, Capacitance=47nF, Case Code (Imperial)=0201, Category="Ceramic Capacitors", ComponentLink1Description=https://datasheet.ciiva.com/14887/tdkmlcccaprange-14887813.pdf?src-supplier=Digi-Key, ComponentLink1URL=https://datasheet.ciiva.com/14887/tdkmlcccaprange-14887813.pdf?src-supplier=Digi-Key, ComponentLink2Description=https://datasheet.ciiva.com/14887/tdkmlcccaprange-14887815.pdf?src-supplier=Digi-Key, ComponentLink2URL=https://datasheet.ciiva.com/14887/tdkmlcccaprange-14887815.pdf?src-supplier=Digi-Key, ComponentLink3Description=https://datasheet.ciiva.com/14887/tdkmlcccaprange-14887817.pdf?src-supplier=Digi-Key, ComponentLink3URL=https://datasheet.ciiva.com/14887/tdkmlcccaprange-14887817.pdf?src-supplier=Digi-Key, Height=0.3mm, Lead Free="Lead Free", Length=0.024inch, Mount="Surface Mount", Packaging="Tape and Reel", Pricing 1="1=0,10000, 10=0,07600, 50=0,04140, 100=0,03380, 500=0,02416, 1000=0,01898, 2500=0,01725, 5000=0,01587 (USD)", RoHS=Yes, RoHS Compliant=Yes, Series=C, Stock 1=131887, Supplier 1=Digi-Key, Termination=SMD/SMT, Thickness=0.013inch, Voltage Rating (DC)=25V, Weight=6E-06oz, Width=0.3mm